# Altium PCB Sayma_AMC_RFSoC.PcbDoc (part 1 of 11) (continued)
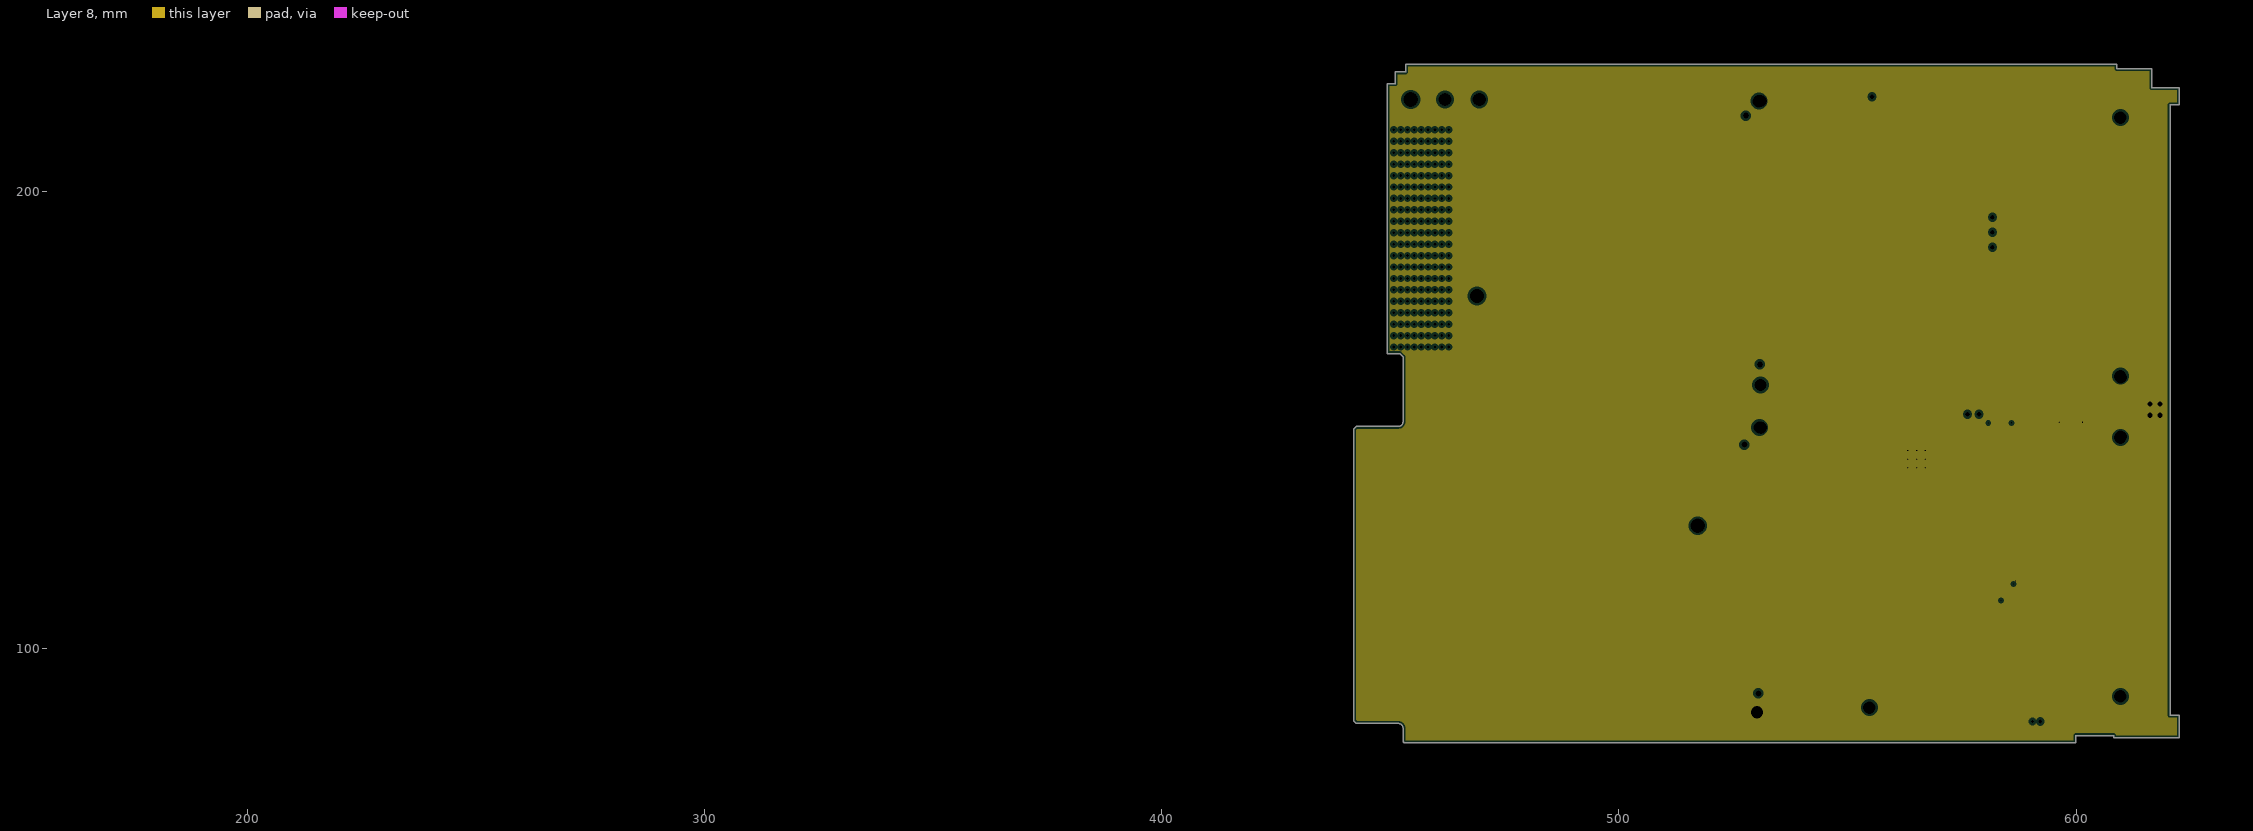
[diagram p8: Layer 8, clearances drawn from the general rule]
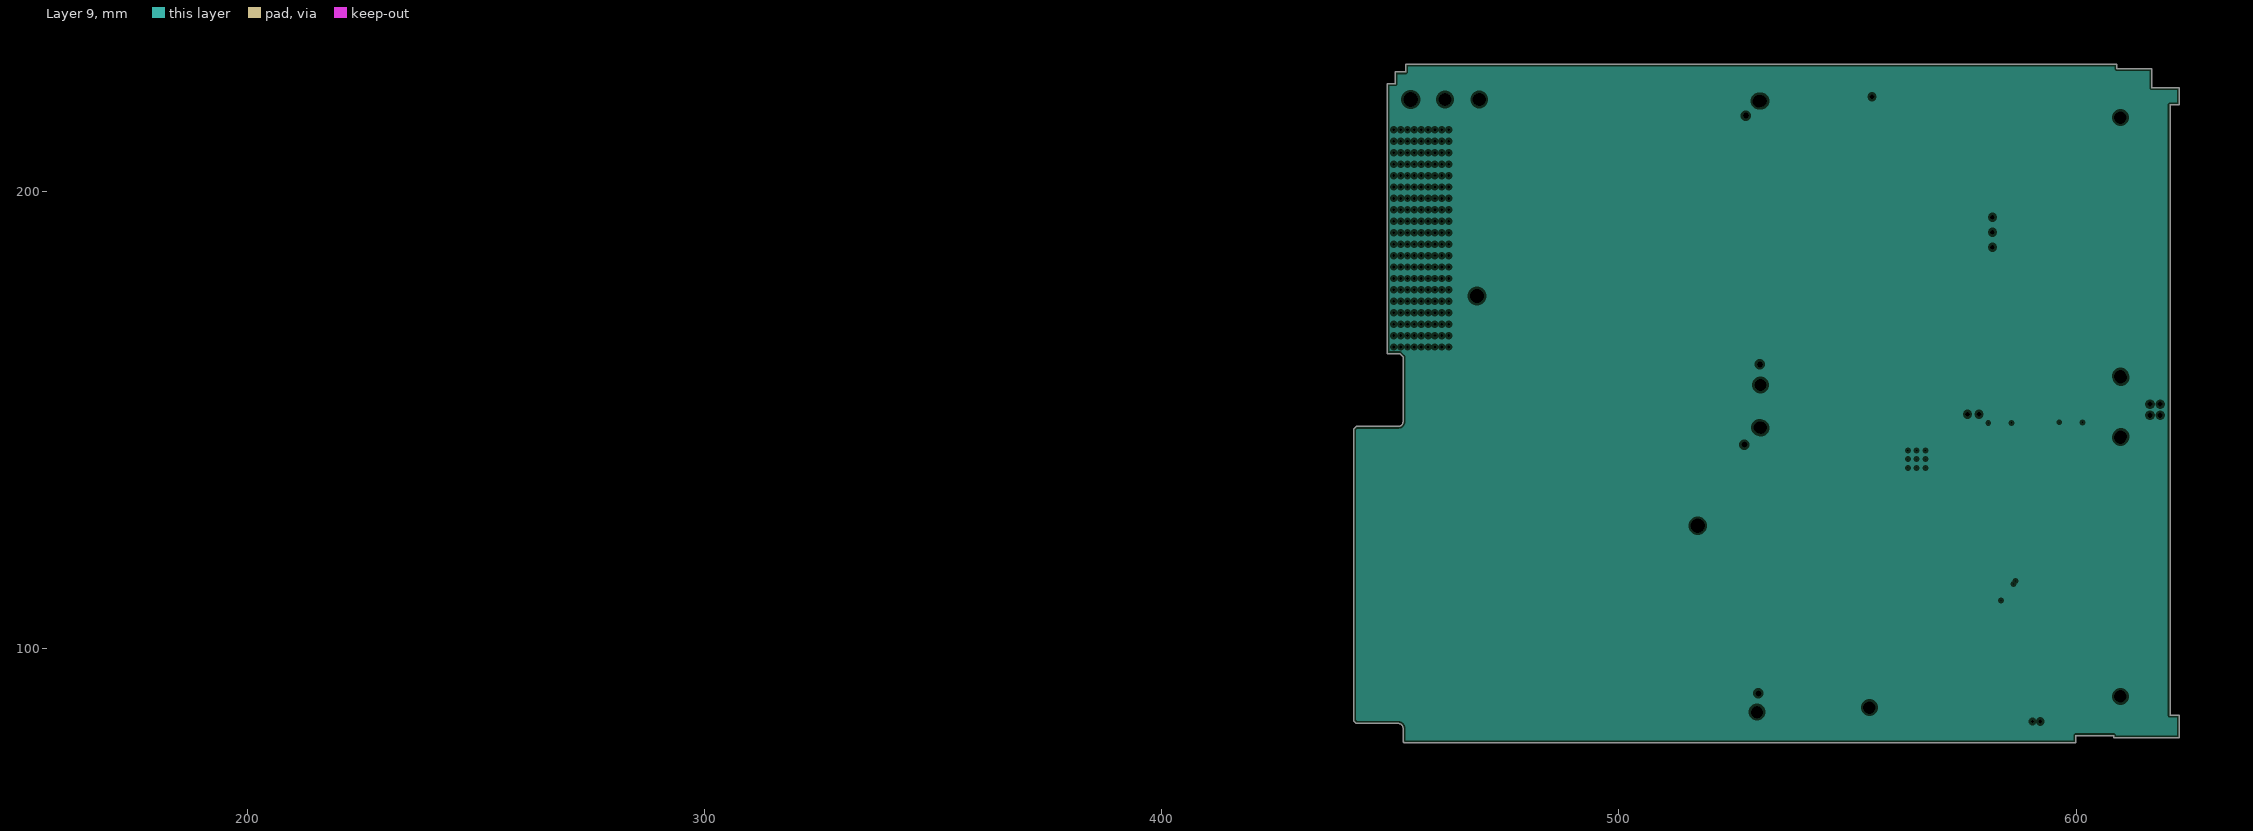
[diagram p9: Layer 9, clearances drawn from the general rule]
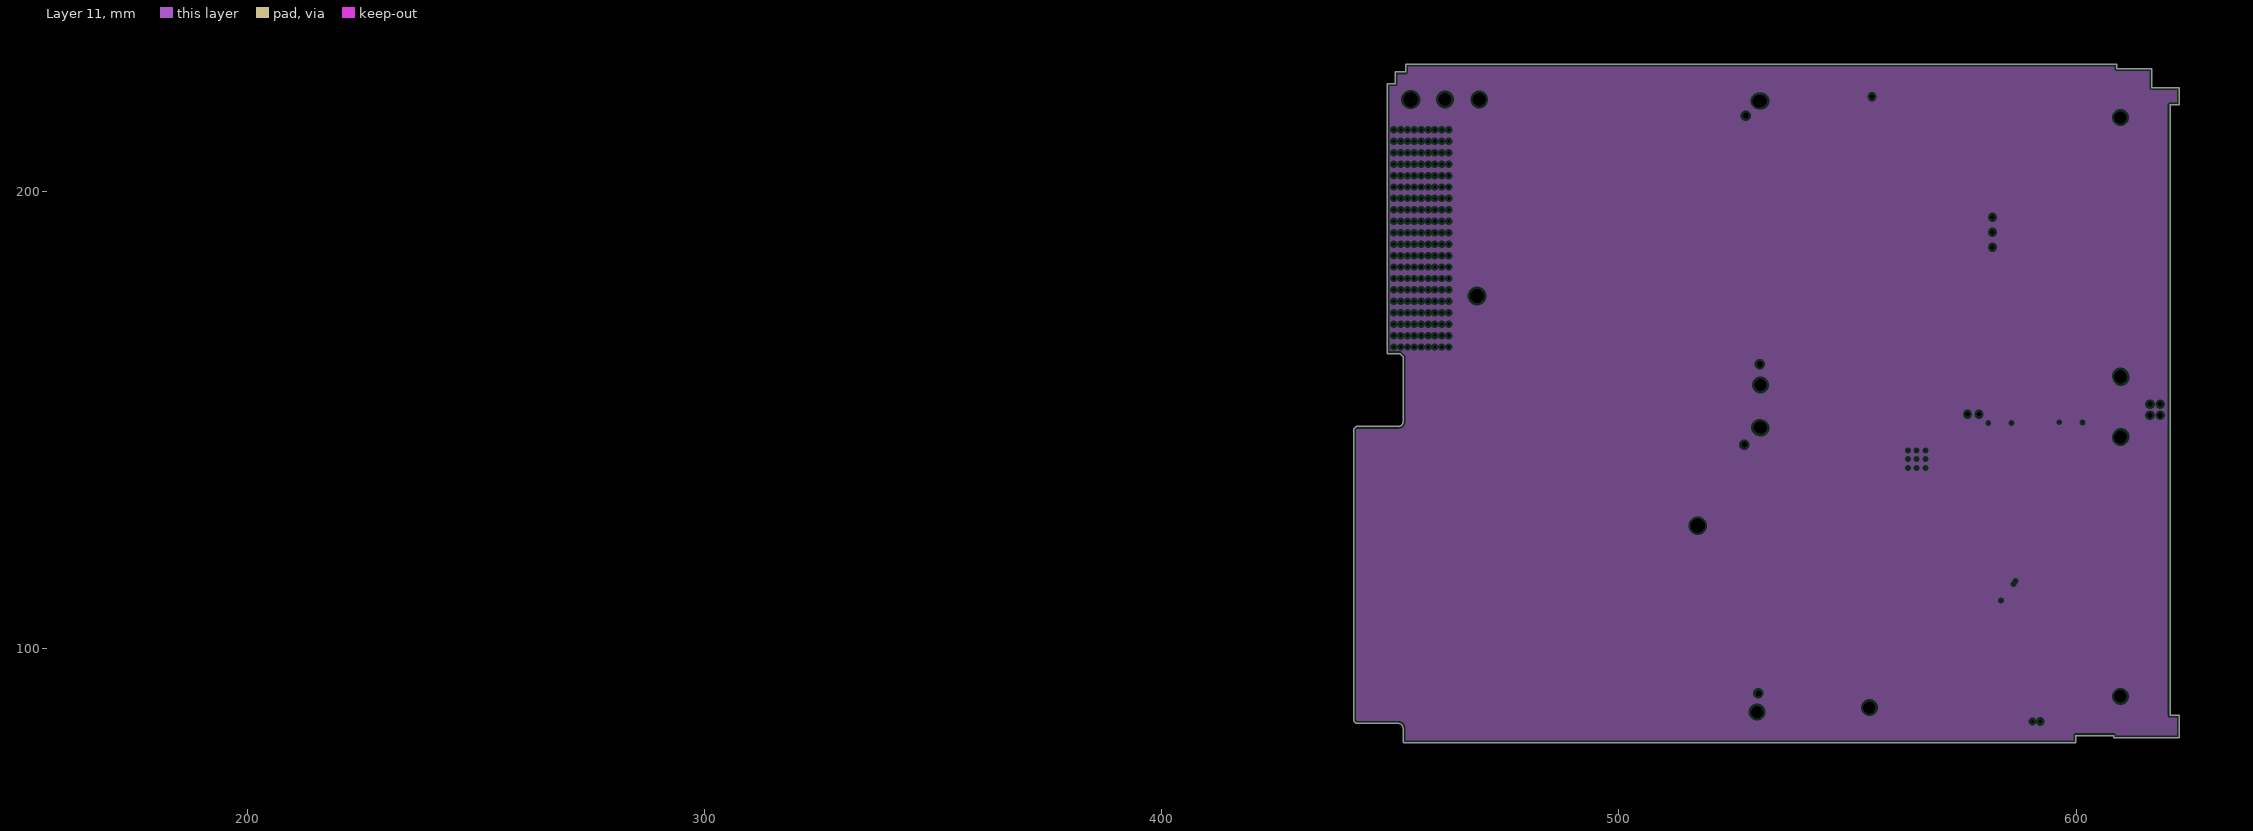
[diagram p10: Layer 11, clearances drawn from the general rule]
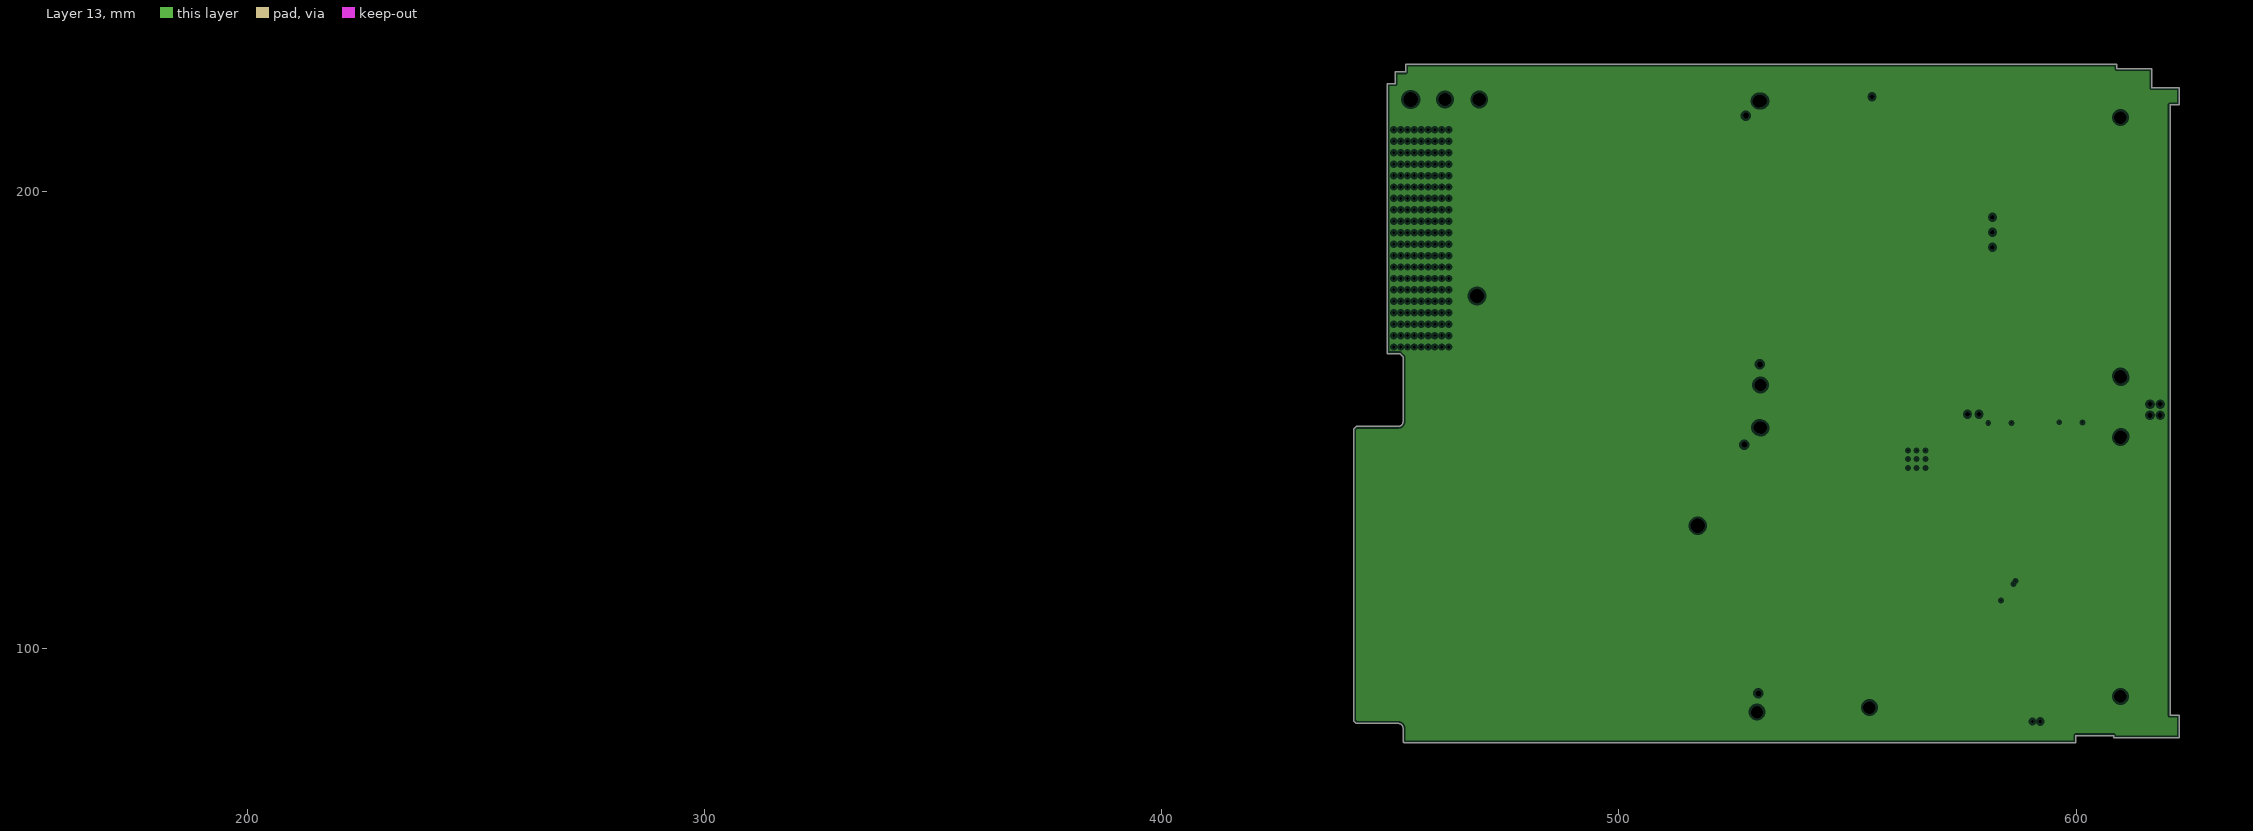
[diagram p11: Layer 13, clearances drawn from the general rule]
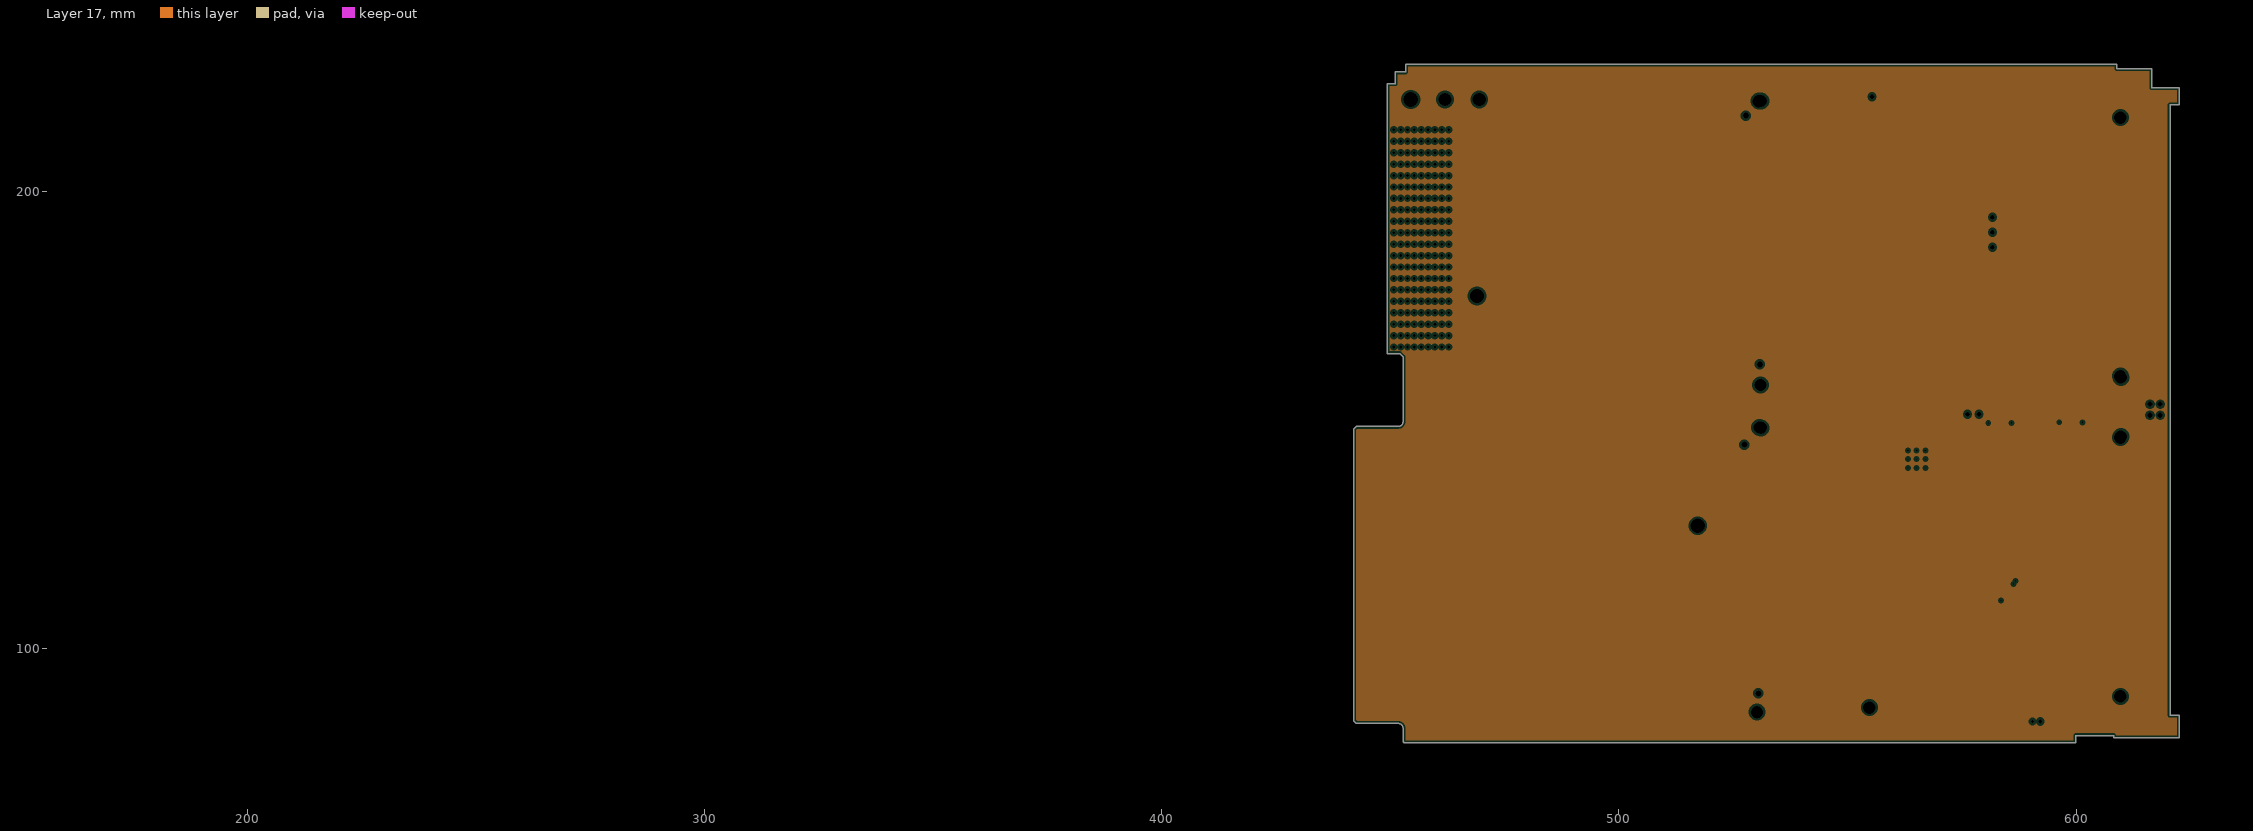
[diagram p12: Layer 17, clearances drawn from the general rule]

## Layer stack, top to bottom
Top Solder: solder mask 0.01, Soder_Mask, Dk 4
Layer 1: signal copper 0.03
Dielectric 1: core 0.061, 106, Dk 3.24
Layer 2: plane copper 0.018, net QSPI2_DQ3
Dielectric2: core 0.32, FR-4, Dk 4.8
Layer 3: signal copper 0.018
Dielectric3: core 0.32, FR-4, Dk 4.8
Layer 4: plane copper 0.018, net QSPI2_DQ3
Dielectric4: dielectric 0.32, FR-4, Dk 4.8
Layer 5: signal copper 0.018
Dielectric5: dielectric 0.32, FR-4, Dk 4.8
Layer 6: plane copper 0.018, net QSPI2_DQ3
Dielectric6: core 0.089, Core FR408 HR, Dk 3.77
Layer 7: signal copper 0.018
Dielectric7: core 0.11, 2x106, Dk 3.24
Layer 8: plane copper 0.036, net QSPI2_DQ3
Dielectric8: dielectric 0.32, FR-4, Dk 4.8
Layer 9: plane copper 0.036
Dielectric9: core 0.11, 2x106, Dk 3.24
Layer 10: signal copper 0.018
Dielectric10: dielectric 0.32, FR-4, Dk 4.8
Layer 11: plane copper 0.018
Dielectric11: dielectric 0.32, FR-4, Dk 4.8
Layer 12: signal copper 0.018
Dielectric12: dielectric 0.32, FR-4, Dk 4.8
Layer 13: plane copper 0.018
Dielectric13: dielectric 0.32, FR-4, Dk 4.8
Layer 14: signal copper 0.018
Dielectric14: dielectric 0.32, FR-4, Dk 4.8
Layer 15: signal copper 0.018
Dielectric15: dielectric 0.32, FR-4, Dk 4.8
Layer 16: signal copper 0.018
Dielectric16: dielectric 0.32, FR-4, Dk 4.8
Layer 17: plane copper 0.018
Dielectric17: dielectric 0.32, FR-4, Dk 4.8
Layer 18: signal copper 0.03
Bottom Solder: solder mask 0.0102, Solder Resist, Dk 3.5

## Board outline
441.996,84.239 441.996,148.018 442.581,148.603 451.771,148.603 ccw(c451.771,149.629) 452.796,149.629 ccw(c452.771,149.629) 452.796,149.629 452.796,163.829 ccw(c452.771,163.829) 452.789,163.847 452.088,164.547 cw(c452.071,164.529) 452.089,164.547 ccw(c452.071,164.529) 452.071,164.554 449.296,164.554 449.296,223.542 451.08,223.542 ccw(c451.08,223.567) 451.105,223.567 451.105,226.142 453.355,226.142 ccw(c453.355,226.167) 453.363,226.143 ccw(c453.371,226.167) 453.396,226.167 453.396,227.853 608.945,227.853 608.945,226.879 ccw(c608.971,226.879) 608.971,226.853 616.545,226.853 616.545,222.679 ccw(c616.571,222.679) 616.571,222.653 622.545,222.653 622.545,218.944 620.571,218.944 ccw(c620.571,218.919) 620.545,218.919 620.545,85.454 ccw(c620.571,85.454) 620.571,85.428 622.545,85.428 622.545,80.504 608.236,80.504 608.236,80.979 ccw(c608.211,80.979) 608.211,81.004 599.971,81.004 ccw(c599.971,80.979) 599.945,80.979 599.945,79.404 453.271,79.404 cw(c453.271,79.879) 452.796,79.879 ccw(c452.771,79.879) 452.796,79.879 452.796,82.629 ccw(c451.771,82.629) 451.771,83.654 442.581,83.654

## Design rules (kind name [scope] priority, off if disabled: settings)
Clearance [All] p1: gap=0.254 ignorepadtopadclearanceinfootprint=FALSE except(0: Arc-Hole Track-Hole SMDPad-Hole THPad-Hole Via-Hole Fill-Hole Poly-Hole Region-Hole Text-Hole)
DiffPairsRouting [All] p1: maxlimit=0.254 minlimit=0.254 mostfreqgap=0.254 toplayer_minwidth=0.381 toplayer_maxwidth=0.381 toplayer_prefwidth=0.381 midlayer1_minwidth=0.381 midlayer1_maxwidth=0.381 midlayer1_prefwidth=0.381 midlayer2_minwidth=0.381 midlayer2_maxwidth=0.381 midlayer2_prefwidth=0.381 midlayer3_minwidth=0.381 midlayer3_maxwidth=0.381 midlayer3_prefwidth=0.381 midlayer4_minwidth=0.381 midlayer4_maxwidth=0.381 midlayer4_prefwidth=0.381 midlayer5_minwidth=0.381 midlayer5_maxwidth=0.381 midlayer5_prefwidth=0.381 midlayer6_minwidth=0.381 midlayer6_maxwidth=0.381 midlayer6_prefwidth=0.381 midlayer7_minwidth=0.381 midlayer7_maxwidth=0.381 midlayer7_prefwidth=0.381 midlayer8_minwidth=0.381 midlayer8_maxwidth=0.381 midlayer8_prefwidth=0.381 bottomlayer_minwidth=0.381 bottomlayer_maxwidth=0.381 bottomlayer_prefwidth=0.381 maxuncoupledlength=12.7
PlaneClearance [All] p1: clearance=0.508
PlaneConnect [All] p1: planeconnectstyle=Relief reliefexpansion=0.508 reliefentries=4 reliefconductorwidth=0.254 reliefairgap=0.254
PolygonConnect [All] p1: connectstyle=Relief reliefconductorwidth=0.254 reliefentries=4 polygonreliefangle="90 Angle" airgapwidth=0.254
RoomDefinition U_AMS_CLOCK [InComponentClass('U_AMS_CLOCK')] p1: confinementstyle=ConfineIn formatcopy=TRUE lockcomponents=FALSE outline 571.883,90.914 631.777,90.914 631.777,163.177 571.883,163.177
RoomDefinition U_RTM_Connector [InComponentClass('U_RTM_Connector')] p2: confinementstyle=ConfineIn formatcopy=TRUE lockcomponents=FALSE outline 472.288,107.493 436.296,107.493 436.296,219.151 472.288,219.151
RoomDefinition U_GTY_Transceivers [InComponentClass('U_GTY_Transceivers')] p3: confinementstyle=ConfineIn formatcopy=TRUE lockcomponents=FALSE outline 0,0 50.8,0 50.8,25.4 0,25.4
RoomDefinition U_ADC_PLL2 [InComponentClass('U_ADC_PLL2')] p4: confinementstyle=ConfineIn formatcopy=TRUE lockcomponents=FALSE outline 571.026,213.406 535.887,213.406 535.887,185.083 571.026,185.083
RoomDefinition U_Supply_LDOs [InComponentClass('U_Supply_LDOs')] p5: confinementstyle=ConfineIn formatcopy=TRUE lockcomponents=FALSE outline 544.302,225.129 564.876,225.129 564.876,218.829 544.302,218.829
RoomDefinition U_ADC_DAC_Supply [InComponentClass('U_ADC_DAC_Supply')] p6: confinementstyle=ConfineIn formatcopy=TRUE lockcomponents=FALSE outline 577.291,164.16 577.291,215.254 595.339,215.254 595.339,164.16
RoomDefinition U_Clocking_SI5341B [InComponentClass('U_Clocking_SI5341B')] p7: confinementstyle=ConfineIn formatcopy=TRUE lockcomponents=FALSE outline 571.588,130.841 556.057,130.841 556.057,147.682 571.588,147.682
RoomDefinition U_ADC_PLL1 [InComponentClass('U_ADC_PLL1')] p8: confinementstyle=ConfineIn formatcopy=TRUE lockcomponents=FALSE outline 526.11,152.877 568.686,152.877 568.686,179.807 526.11,179.807
RoomDefinition U_DAC_PLL [InComponentClass('U_DAC_PLL')] p9: confinementstyle=ConfineIn formatcopy=TRUE lockcomponents=FALSE outline 572.011,92.022 533.038,92.022 533.038,121.886 572.011,121.886
RoomDefinition U_Supply_CORE [InComponentClass('U_Supply_CORE')] p10: confinementstyle=ConfineIn formatcopy=TRUE lockcomponents=FALSE outline 471.678,100.038 491.998,100.038 491.998,122.898 471.678,122.898
RoomDefinition U_Supply [InComponentClass('U_Supply')] p11: confinementstyle=ConfineIn formatcopy=TRUE lockcomponents=FALSE outline 451.16,120.04 451.16,87.3 469.245,87.3 469.245,120.04
RoomDefinition U_SoC_PS [InComponentClass('U_SoC_PS')] p12: confinementstyle=ConfineIn formatcopy=TRUE lockcomponents=FALSE outline 546.151,201.399 546.151,216.103 541.286,216.103 541.286,201.399
RoomDefinition U_SoC_ADC_DAC [InComponentClass('U_SoC_ADC_DAC')] p13: confinementstyle=ConfineIn formatcopy=TRUE lockcomponents=FALSE outline 303.784,0 261.95,0 303.784,0
RoomDefinition U_RF_AFE1 [InComponentClass('U_RF_AFE1')] p14: confinementstyle=ConfineIn formatcopy=TRUE lockcomponents=FALSE outline 541.858,85.471 516.966,85.471 516.966,151.598 541.858,151.598
RoomDefinition U_FPGA_SDRAM2 [InComponentClass('U_FPGA_SDRAM2')] p15: confinementstyle=ConfineIn formatcopy=TRUE lockcomponents=FALSE outline 430.708,99.187 391.566,99.187 391.566,120.802 430.708,120.802
RoomDefinition U_FPGA_SDRAM1 [InComponentClass('U_FPGA_SDRAM1')] p16: confinementstyle=ConfineIn formatcopy=TRUE lockcomponents=FALSE outline 137.058,0 187.858,0 187.858,25.4 137.058,25.4
RoomDefinition U_DDR4_SDRAM3 [InComponentClass('U_DDR4_SDRAM3')] p17: confinementstyle=ConfineIn formatcopy=TRUE lockcomponents=FALSE outline 515.575,80.29 515.575,121.514 500.157,121.514 500.157,80.29
RoomDefinition U_DDR4_SDRAM2 [InComponentClass('U_DDR4_SDRAM2')] p18: confinementstyle=ConfineIn formatcopy=TRUE lockcomponents=FALSE outline 501.701,178.651 517.428,178.651 517.428,224.79 501.701,224.79
RoomDefinition U_DDR4_SDRAM1 [InComponentClass('U_DDR4_SDRAM1')] p19: confinementstyle=ConfineIn formatcopy=TRUE lockcomponents=FALSE outline 488.772,224.866 466.141,224.866 466.141,179.324 488.772,179.324
RoutingVias [All] p1: holewidth=0.711 width=1.27 viastyle="Through Hole" minholewidth=0.711 minwidth=1.27 maxholewidth=0.711 maxwidth=1.27
SolderMaskExpansion [All] p1: expansion=0.102
Width [All] p1: maxlimit=0.254 minlimit=0.254 preferedwidth=0.254
27 further rules are at their usual default settings.

## Classes and differential pairs
net class Diff_100Ohm: ADC1_SYNC_N ADC1_SYNC_P ADC2_SYNC_N ADC2_SYNC_P SYNCOUT10_N SYNCOUT10_P SYNCOUT11_N SYNCOUT11_P SYNCOUT20_N SYNCOUT20_P SYNCOUT21_N SYNCOUT21_P
component class U_RTM_Connector: F1
component class U_GTY_Transceivers: C595 C596 C623 C624 C625 C626 C643 C644 C665 C666 C737 C738
channel class ADC_PLL: U_ADC_PLL1 U_ADC_PLL2
net class ULPI[0..13]: ULPI0 ULPI1 ULPI2 ULPI3 ULPI4 ULPI5 ULPI6 ULPI7 ULPI8 ULPI9 ULPI10 ULPI11 ULPI12 ULPI13
net class SOC_PS_JTAG[0..4]: SOC_PS_JTAG0 SOC_PS_JTAG1 SOC_PS_JTAG2 SOC_PS_JTAG3 SOC_PS_JTAG4
net class SDIO[0..12]: SDIO0 SDIO1 SDIO2 SDIO3 SDIO4 SDIO5 SDIO6 SDIO7 SDIO8 SDIO9 SDIO10 SDIO11 SDIO12
net class MIO_QSPI[0..12]: MIO_QSPI0 MIO_QSPI1 MIO_QSPI2 MIO_QSPI3 MIO_QSPI4 MIO_QSPI5 MIO_QSPI6 MIO_QSPI7 MIO_QSPI8 MIO_QSPI9 MIO_QSPI10 MIO_QSPI11 MIO_QSPI12
net class FPGA_SPI_FLASH_UPD[0..5]: FPGA_SPI_FLASH_UPD0 FPGA_SPI_FLASH_UPD1 FPGA_SPI_FLASH_UPD2 FPGA_SPI_FLASH_UPD3 FPGA_SPI_FLASH_UPD4 FPGA_SPI_FLASH_UPD5
net class FPGA_I2C[0..3]: FPGA_I2C0 FPGA_I2C1 FPGA_I2C2 FPGA_I2C3
net class ETH2_RGMII[0..14]: ETH2_RGMII0 ETH2_RGMII1 ETH2_RGMII2 ETH2_RGMII3 ETH2_RGMII4 ETH2_RGMII5 ETH2_RGMII6 ETH2_RGMII7 ETH2_RGMII8 ETH2_RGMII9 ETH2_RGMII10 ETH2_RGMII11 ETH2_RGMII12 ETH2_RGMII13 ETH2_RGMII14
net class ETH1_RGMII[0..12]: ETH1_RGMII0 ETH1_RGMII1 ETH1_RGMII2 ETH1_RGMII3 ETH1_RGMII4 ETH1_RGMII5 ETH1_RGMII6 ETH1_RGMII7 ETH1_RGMII8 ETH1_RGMII9 ETH1_RGMII10 ETH1_RGMII11 ETH1_RGMII12
component class U_Supply: U3 U4 U5
component class U_Supply_LDOs: C485 C827 C828 C829 J63 R667 R669 U100
component class U_Supply_CORE: IC2
component class U_SoC_PS: C1 C2 C3 C301 C327 C328 C329 C370 C452 C453 C920 C956 C957 C958 IC3 IC37 IC40 IC41 IC42 IC53 IC55 IC56 IC57 IC60 L1 L51 R9 R10 R11 R12 R480 R481 R482 R483 R484 R485 R553 R569 R570 R571 R572 R573 R574 R575 R576 R577 R617 T22 TP11 TP12 TP13 TP14 TP15 TP16 TP17 TP18 TP19 TP20 TP21 TP22 TP23 TP24
component class U_DAC_PLL: C344 C345 C666 C667 C668 C669 C670 C671 C672 C673 C674 C675 C676 C677 C678 C679 C680 C681 C682 C719 C720 C721 C722 C723 C724 C725 C726 C727 C728 C808 C809 C810 C811 C812 C813 C814 C815 C954 C955 C1014 C1015 C1016 C1017 C1022 C1023 C1024 C1025 DS44 L65 L68 MSBOX1 R358 R359 R360 R545 R554 R581 R582 R583 R584 R585 R678 R713 R714 R715 R716 U2
component class U_Clocking_SI5341B: C361 C362 C363 C364 R376 R377 R378 R379 U50 X7
component class U_AMS_CLOCK: C730 C731 C732 C733 C734 C735 C736 C737 C738 C739 C740 C741 C742 C743 C744 C745 C746 C747 C748 C749 C750 C751 C752 C753 C754 C758 C759 C761 C762 C763 C764 C765 C766 C767 C768 C769 C770 C771 C772 C773 C774 C775 C776 C777 C778 C779 C780 C781 C782 C783 C784 C821 C822 C823 C824 C952 C953 C964 C965 C966 C967 C968 C969 C970 C971 C972 C973 C974 C975 C976 C977 C978 C979 C980 C981 C982 C983 C984 C985 C986 C987 C988 C1031 C1034 DS45 J110 L52 L53 L54 L55 L56 L57 L58 L59 L60 L61 L62 L70 L73 MSBOX2 MSBOX3 R53 R54 R55 R366 R621 R622 R623 R624 R627 R628 R631 R632 R635 R636 R637 R640 R641 R642 R643 R644 R645 R646 R647 R648 R649 R650 R651 R652 R653 R654 R655 R656 R657 R658 R659 R660 R661 R662 U90 U91 U92 U98 U106
component class U_ADC_PLL2: C632_U_ADC_PLL2 C633_U_ADC_PLL2 C634_U_ADC_PLL2 C635_U_ADC_PLL2 C636_U_ADC_PLL2 C637_U_ADC_PLL2 C638_U_ADC_PLL2 C639_U_ADC_PLL2 C640_U_ADC_PLL2 C641_U_ADC_PLL2 C642_U_ADC_PLL2 C643_U_ADC_PLL2 C644_U_ADC_PLL2 C645_U_ADC_PLL2 C646_U_ADC_PLL2 C647_U_ADC_PLL2 C648_U_ADC_PLL2 C649_U_ADC_PLL2 C650_U_ADC_PLL2 C651_U_ADC_PLL2 C652_U_ADC_PLL2 C653_U_ADC_PLL2 C654_U_ADC_PLL2 C655_U_ADC_PLL2 C656_U_ADC_PLL2 C657_U_ADC_PLL2 C658_U_ADC_PLL2 C659_U_ADC_PLL2 C660_U_ADC_PLL2 C661_U_ADC_PLL2 C662_U_ADC_PLL2 C663_U_ADC_PLL2 C664_U_ADC_PLL2 C665_U_ADC_PLL2 C718_U_ADC_PLL2 C948_U_ADC_PLL2 C949_U_ADC_PLL2 C960_U_ADC_PLL2 C961_U_ADC_PLL2 C962_U_ADC_PLL2 C963_U_ADC_PLL2 C1006_U_ADC_PLL2 C1007_U_ADC_PLL2 C1008_U_ADC_PLL2 C1009_U_ADC_PLL2 C1018_U_ADC_PLL2 C1019_U_ADC_PLL2 DS34_U_ADC_PLL2 L43_U_ADC_PLL2 L44_U_ADC_PLL2 MSBOX1_U_ADC_PLL2 R8_U_ADC_PLL2 R73_U_ADC_PLL2 R79_U_ADC_PLL2 R97_U_ADC_PLL2 R194_U_ADC_PLL2 R552_U_ADC_PLL2 R560_U_ADC_PLL2 R562_U_ADC_PLL2 R563_U_ADC_PLL2 R564_U_ADC_PLL2 R565_U_ADC_PLL2 R677_U_ADC_PLL2 R706_U_ADC_PLL2 R707_U_ADC_PLL2 R708_U_ADC_PLL2 U1_U_ADC_PLL2
component class U_ADC_PLL1: C632_U_ADC_PLL1 C633_U_ADC_PLL1 C634_U_ADC_PLL1 C635_U_ADC_PLL1 C636_U_ADC_PLL1 C637_U_ADC_PLL1 C638_U_ADC_PLL1 C639_U_ADC_PLL1 C640_U_ADC_PLL1 C641_U_ADC_PLL1 C642_U_ADC_PLL1 C643_U_ADC_PLL1 C644_U_ADC_PLL1 C645_U_ADC_PLL1 C646_U_ADC_PLL1 C647_U_ADC_PLL1 C648_U_ADC_PLL1 C649_U_ADC_PLL1 C650_U_ADC_PLL1 C651_U_ADC_PLL1 C652_U_ADC_PLL1 C653_U_ADC_PLL1 C654_U_ADC_PLL1 C655_U_ADC_PLL1 C656_U_ADC_PLL1 C657_U_ADC_PLL1 C658_U_ADC_PLL1 C659_U_ADC_PLL1 C660_U_ADC_PLL1 C661_U_ADC_PLL1 C662_U_ADC_PLL1 C663_U_ADC_PLL1 C664_U_ADC_PLL1 C665_U_ADC_PLL1 C718_U_ADC_PLL1 C948_U_ADC_PLL1 C949_U_ADC_PLL1 C960_U_ADC_PLL1 C961_U_ADC_PLL1 C962_U_ADC_PLL1 C963_U_ADC_PLL1 C1006_U_ADC_PLL1 C1007_U_ADC_PLL1 C1008_U_ADC_PLL1 C1009_U_ADC_PLL1 C1018_U_ADC_PLL1 C1019_U_ADC_PLL1 DS34_U_ADC_PLL1 L43_U_ADC_PLL1 L44_U_ADC_PLL1 MSBOX1_U_ADC_PLL1 R8_U_ADC_PLL1 R73_U_ADC_PLL1 R79_U_ADC_PLL1 R97_U_ADC_PLL1 R194_U_ADC_PLL1 R552_U_ADC_PLL1 R560_U_ADC_PLL1 R562_U_ADC_PLL1 R563_U_ADC_PLL1 R564_U_ADC_PLL1 R565_U_ADC_PLL1 R677_U_ADC_PLL1 R706_U_ADC_PLL1 R707_U_ADC_PLL1 R708_U_ADC_PLL1 U1_U_ADC_PLL1
component class U_ADC_DAC_Supply: C456 C457 C564 C567 C569 C570 C572 C573 C574 C575 C577 C578 C606 C607 C608 C609 C873 C874 C989 C990 C991 C992 C993 J11 J82 J88 L74 R409 R410 R472 R473 R474 R475 R477 R478 R479 R533 R534 R535 R536 R537 R538 U71 U72 U78 U84 U85 U101 Z41 Z42 Z43
channel class RF_AFE: U_RF_AFE1 U_RF_AFE2
channel class DDR4_SDRAM: U_DDR4_SDRAM1 U_DDR4_SDRAM2 U_DDR4_SDRAM3
net class DDR4_DQ[63..0]: DDR4_DQ0 DDR4_DQ1 DDR4_DQ2 DDR4_DQ3 DDR4_DQ4 DDR4_DQ5 DDR4_DQ6 DDR4_DQ7 DDR4_DQ8 DDR4_DQ9 DDR4_DQ10 DDR4_DQ11 DDR4_DQ12 DDR4_DQ13 DDR4_DQ14 DDR4_DQ15 DDR4_DQ16 DDR4_DQ17 DDR4_DQ18 DDR4_DQ19 DDR4_DQ20 DDR4_DQ21 DDR4_DQ22 DDR4_DQ23 DDR4_DQ24 DDR4_DQ25 DDR4_DQ26 DDR4_DQ27 DDR4_DQ28 DDR4_DQ29 DDR4_DQ30 DDR4_DQ31 DDR4_DQ32 DDR4_DQ33 DDR4_DQ34 DDR4_DQ35 DDR4_DQ36 DDR4_DQ37 DDR4_DQ38 DDR4_DQ39 DDR4_DQ40 DDR4_DQ41 DDR4_DQ42 DDR4_DQ43 DDR4_DQ44 DDR4_DQ45 DDR4_DQ46 DDR4_DQ47 DDR4_DQ48 DDR4_DQ49 DDR4_DQ50 DDR4_DQ51 DDR4_DQ52 DDR4_DQ53 DDR4_DQ54 DDR4_DQ55 DDR4_DQ56 DDR4_DQ57 DDR4_DQ58 DDR4_DQ59 DDR4_DQ60 DDR4_DQ61 DDR4_DQ62 DDR4_DQ63
net class DDR4_DM[7..0]: DDR4_DM0 DDR4_DM1 DDR4_DM2 DDR4_DM3 DDR4_DM4 DDR4_DM5 DDR4_DM6 DDR4_DM7 DDR4_DM8
net class DDR4_A[12..0]: DDR4_A0 DDR4_A1 DDR4_A2 DDR4_A3 DDR4_A4 DDR4_A5 DDR4_A6 DDR4_A7 DDR4_A8 DDR4_A9 DDR4_A10 DDR4_A11 DDR4_A12 DDR4_A13
component class U_RF_AFE2: B13_U_RF_AFE2 B14_U_RF_AFE2 B15_U_RF_AFE2 B16_U_RF_AFE2 J43_U_RF_AFE2
component class U_RF_AFE1: B13_U_RF_AFE1 B14_U_RF_AFE1 B15_U_RF_AFE1 B16_U_RF_AFE1 J43_U_RF_AFE1
component class U_PS_DDR: R629
component class U_FPGA_SDRAM2: IC1 R1 R2 R3 R4 R5 R6 R7
component class U_FPGA_SDRAM1: R293 R294 R295 R296 R400 R451 R452